# Altium PCB GE21_M1_pku_f100.PcbDoc (part 4 of 19)
Units mm, origin at the board's own origin, x right, y up, seen from the top; angles counter-clockwise.
Board outline 423.9 x 668.59 mm, 8 copper layers (Top Layer, Signal 1, DGNG1, POWER, AGND, DGND2, Signal 2, Bottom Layer), stack 1.03 mm thick; 171 components, 336 nets, 2040 pads, 4872 vias.
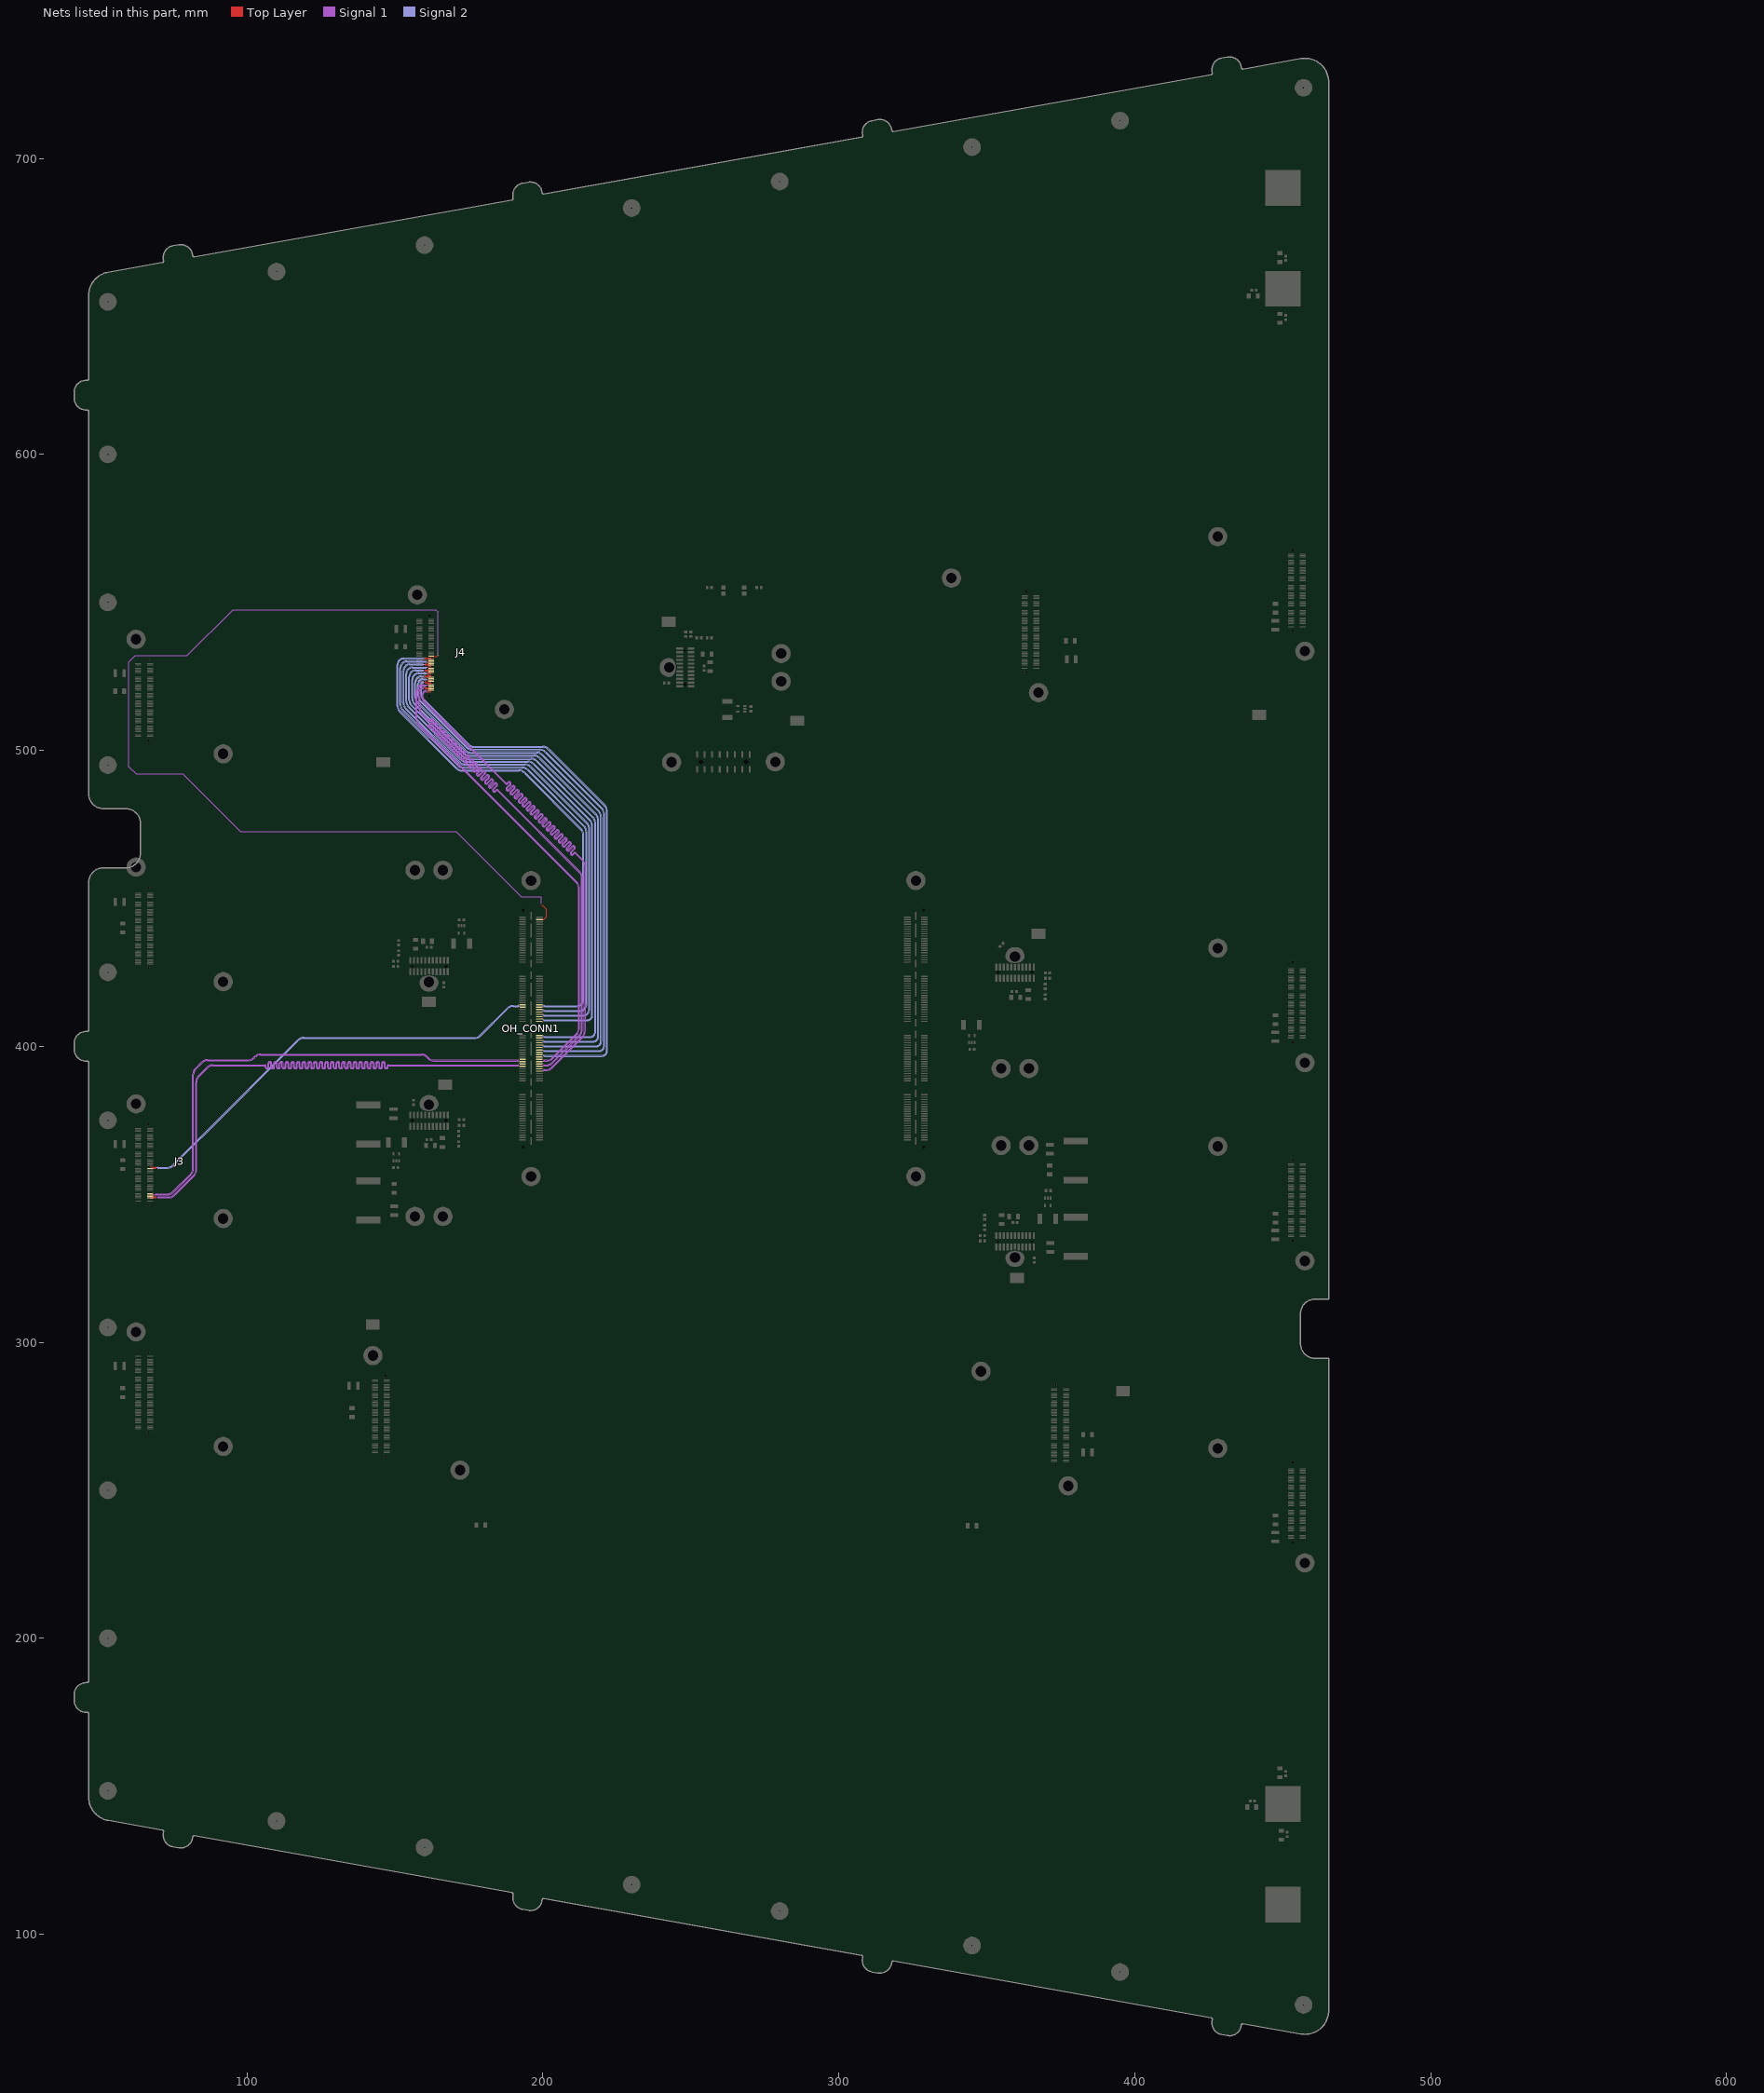
[diagram p10: the nets of this part, all layers, seen from the top]

## Via types
v1: diameter 0.508, hole 0.203, Top Layer to Bottom Layer, tented both sides, 1688 vias
v2: diameter 0.402/0.402/0.402/0.201 (per signal layer), hole 0.201, Top Layer to Bottom Layer, tented both sides, 1040 vias
v3: diameter 0.507, hole 0.202, Top Layer to Bottom Layer, tented both sides, 780 vias
v4: diameter 0.4, hole 0, Top Layer to Bottom Layer, tented both sides, 438 vias
v5: diameter 0.4, hole 0.2, Top Layer to Bottom Layer, tented both sides, 288 vias
v6: diameter 0.51, hole 0.204, Top Layer to Bottom Layer, tented both sides, 288 vias
v7: diameter 0.6/0.4/0.4/0.4 (per signal layer), hole 0.3, Top Layer to Bottom Layer, tented both sides, 254 vias
v8: diameter 0.402, hole 0.201, Top Layer to Bottom Layer, tented both sides, 96 vias

## Nets (pads, with @x,y where several pads share a name; then routed paths per layer and width w, separated by ;. In a path a pad name is that pad's centre, name@x,y a point inside that pad or via, vN(x,y) a via of type N, cw(c..) or ccw(c..) an arc to the next point about the centre after c; other vN are vias at no path point) (continued)
J3RXD_N: J3.96 OH_CONN1.108 | length 234.6
  Top Layer w0.115: J3.96@67.25,348.75 68.3,348.75 68.375,348.825 69.198,348.825 cw(c69.198,348.398) v4@69.5,348.7
  Signal 1 w0.115: v5(69.5,348.7) cw(c69.802,348.398) 69.802,348.825 73.628,348.825 ccw(c73.628,351.715) 75.671,349.671 82.154,356.154 ccw(c80.11,358.197) 83,358.197 83,387.948 cw(c85.54,387.948) 83.744,389.744 86.681,392.681 cw(c88.477,390.885) 88.477,393.425 105.944,393.425 cw(c105.944,393.217) 106.152,393.217 106.152,392.967 ccw(c106.71,392.967) 106.71,392.409 106.902,392.409 ccw(c106.902,392.967) 107.46,392.967 107.46,394.233 cw(c107.668,394.233) 107.668,394.441 107.86,394.441 cw(c107.86,394.233) 108.068,394.233 108.068,392.967 ccw(c108.626,392.967) 108.626,392.409 108.818,392.409 ccw(c108.818,392.967) 109.376,392.967 109.376,394.233 cw(c109.584,394.233) 109.584,394.441 109.776,394.441 cw(c109.776,394.233) 109.984,394.233 109.984,392.967 ccw(c110.542,392.967) 110.542,392.409 110.734,392.409 ccw(c110.734,392.967) 111.292,392.967 111.292,394.233 cw(c111.5,394.233) 111.5,394.441 111.692,394.441 cw(c111.692,394.233) 111.9,394.233 111.9,392.967 ccw(c112.458,392.967) 112.458,392.409 112.65,392.409 ccw(c112.65,392.967) 113.208,392.967 113.208,394.233 cw(c113.416,394.233) 113.416,394.441 113.608,394.441 cw(c113.608,394.233) 113.816,394.233 113.816,392.967 ccw(c114.374,392.967) 114.374,392.409 114.566,392.409 ccw(c114.566,392.967) 115.124,392.967 115.124,394.233 cw(c115.332,394.233) 115.332,394.441 115.524,394.441 cw(c115.524,394.233) 115.732,394.233 115.732,392.967 ccw(c116.29,392.967) 116.29,392.409 116.482,392.409 ccw(c116.482,392.967) 117.04,392.967 117.04,394.233 cw(c117.248,394.233) 117.248,394.441 117.44,394.441 cw(c117.44,394.233) 117.648,394.233 117.648,392.967 ccw(c118.206,392.967) 118.206,392.409 118.398,392.409 ccw(c118.398,392.967) 118.956,392.967 118.956,394.233 cw(c119.164,394.233) 119.164,394.441 119.356,394.441 cw(c119.356,394.233) 119.564,394.233 119.564,392.967 ccw(c120.122,392.967) 120.122,392.409 120.314,392.409 ccw(c120.314,392.967) 120.872,392.967 120.872,394.233 cw(c121.08,394.233) 121.08,394.441 121.272,394.441 cw(c121.272,394.233) 121.48,394.233 121.48,392.967 ccw(c122.038,392.967) 122.038,392.409 122.23,392.409 ccw(c122.23,392.967) 122.788,392.967 122.788,394.233 cw(c122.996,394.233) 122.996,394.441 123.188,394.441 cw(c123.188,394.233) 123.396,394.233 123.396,392.967 ccw(c123.954,392.967) 123.954,392.409 124.146,392.409 ccw(c124.146,392.967) 124.704,392.967 124.704,394.233 cw(c124.912,394.233) 124.912,394.441 125.104,394.441 cw(c125.104,394.233) 125.312,394.233 125.312,392.967 ccw(c125.87,392.967) 125.87,392.409 126.062,392.409 ccw(c126.062,392.967) 126.62,392.967 126.62,394.233 cw(c126.828,394.233) 126.828,394.441 127.02,394.441 cw(c127.02,394.233) 127.228,394.233 127.228,392.967 ccw(c127.786,392.967) 127.786,392.409 127.978,392.409 ccw(c127.978,392.967) 128.536,392.967 128.536,394.233 cw(c128.744,394.233) 128.744,394.441 128.936,394.441 cw(c128.936,394.233) 129.144,394.233 129.144,392.967 ccw(c129.702,392.967) 129.702,392.409 129.894,392.409 ccw(c129.894,392.967) 130.452,392.967 130.452,394.233 cw(c130.66,394.233) 130.66,394.441 130.852,394.441 cw(c130.852,394.233) 131.06,394.233 131.06,392.967 ccw(c131.618,392.967) 131.618,392.409 131.81,392.409 ccw(c131.81,392.967) 132.368,392.967 132.368,394.233 cw(c132.576,394.233) 132.576,394.441 132.768,394.441 cw(c132.768,394.233) 132.976,394.233 132.976,392.967 ccw(c133.534,392.967) 133.534,392.409 133.726,392.409 ccw(c133.726,392.967) 134.284,392.967 134.284,394.233 cw(c134.492,394.233) 134.492,394.441 134.684,394.441 cw(c134.684,394.233) 134.892,394.233 134.892,392.967 ccw(c135.45,392.967) 135.45,392.409 135.642,392.409 ccw(c135.642,392.967) 136.2,392.967 136.2,394.233 cw(c136.408,394.233) 136.408,394.441 136.6,394.441 cw(c136.6,394.233) 136.808,394.233 136.808,392.967 ccw(c137.366,392.967) 137.366,392.409 137.558,392.409 ccw(c137.558,392.967) 138.116,392.967 138.116,394.233 cw(c138.324,394.233) 138.324,394.441 138.516,394.441 cw(c138.516,394.233) 138.724,394.233 138.724,392.967 ccw(c139.282,392.967) 139.282,392.409 139.474,392.409 ccw(c139.474,392.967) 140.032,392.967 140.032,394.233 cw(c140.24,394.233) 140.24,394.441 140.432,394.441 cw(c140.432,394.233) 140.64,394.233 140.64,392.967 ccw(c141.198,392.967) 141.198,392.409 141.39,392.409 ccw(c141.39,392.967) 141.948,392.967 141.948,394.233 cw(c142.156,394.233) 142.156,394.441 142.348,394.441 cw(c142.348,394.233) 142.556,394.233 142.556,392.967 ccw(c143.114,392.967) 143.114,392.409 143.306,392.409 ccw(c143.306,392.967) 143.864,392.967 143.864,394.233 cw(c144.072,394.233) 144.072,394.441 144.264,394.441 cw(c144.264,394.233) 144.472,394.233 144.472,392.967 ccw(c145.03,392.967) 145.03,392.409 145.222,392.409 ccw(c145.222,392.967) 145.78,392.967 145.78,394.233 cw(c145.988,394.233) 145.988,394.441 146.18,394.441 cw(c146.18,394.233) 146.388,394.233 146.388,392.967 ccw(c146.946,392.967) 146.946,392.409 147.138,392.409 ccw(c147.138,392.967) 147.696,392.967 147.696,393.217 cw(c147.904,393.217) 147.904,393.425 191.457,393.425 cw(c191.457,392.657) v6(192,393.2)
  other v4: 69.43,348.7 69.57,348.7
J3RXD_P: J3.94 OH_CONN1.106 | length 234.6
  Top Layer w0.115: J3.94@67.25,349.25 68.3,349.25 68.375,349.175 69.198,349.175 ccw(c69.198,349.602) v5(69.5,349.3)
  Signal 1 w0.115: v5(69.5,349.3) ccw(c69.802,349.602) 69.802,349.175 73.628,349.175 ccw(c73.628,351.715) 75.424,349.919 81.906,356.401 ccw(c80.11,358.197) 82.65,358.197 82.65,387.948 cw(c85.54,387.948) 83.496,389.991 86.434,392.929 cw(c88.477,390.885) 88.477,393.775 105.944,393.775 cw(c105.944,393.217) 106.502,393.217 106.502,392.967 ccw(c106.71,392.967) 106.71,392.759 106.902,392.759 ccw(c106.902,392.967) 107.11,392.967 107.11,394.233 cw(c107.668,394.233) 107.668,394.791 107.86,394.791 cw(c107.86,394.233) 108.418,394.233 108.418,392.967 ccw(c108.626,392.967) 108.626,392.759 108.818,392.759 ccw(c108.818,392.967) 109.026,392.967 109.026,394.233 cw(c109.584,394.233) 109.584,394.791 109.776,394.791 cw(c109.776,394.233) 110.334,394.233 110.334,392.967 ccw(c110.542,392.967) 110.542,392.759 110.734,392.759 ccw(c110.734,392.967) 110.942,392.967 110.942,394.233 cw(c111.5,394.233) 111.5,394.791 111.692,394.791 cw(c111.692,394.233) 112.25,394.233 112.25,392.967 ccw(c112.458,392.967) 112.458,392.759 112.65,392.759 ccw(c112.65,392.967) 112.858,392.967 112.858,394.233 cw(c113.416,394.233) 113.416,394.791 113.608,394.791 cw(c113.608,394.233) 114.166,394.233 114.166,392.967 ccw(c114.374,392.967) 114.374,392.759 114.566,392.759 ccw(c114.566,392.967) 114.774,392.967 114.774,394.233 cw(c115.332,394.233) 115.332,394.791 115.524,394.791 cw(c115.524,394.233) 116.082,394.233 116.082,392.967 ccw(c116.29,392.967) 116.29,392.759 116.482,392.759 ccw(c116.482,392.967) 116.69,392.967 116.69,394.233 cw(c117.248,394.233) 117.248,394.791 117.44,394.791 cw(c117.44,394.233) 117.998,394.233 117.998,392.967 ccw(c118.206,392.967) 118.206,392.759 118.398,392.759 ccw(c118.398,392.967) 118.606,392.967 118.606,394.233 cw(c119.164,394.233) 119.164,394.791 119.356,394.791 cw(c119.356,394.233) 119.914,394.233 119.914,392.967 ccw(c120.122,392.967) 120.122,392.759 120.314,392.759 ccw(c120.314,392.967) 120.522,392.967 120.522,394.233 cw(c121.08,394.233) 121.08,394.791 121.272,394.791 cw(c121.272,394.233) 121.83,394.233 121.83,392.967 ccw(c122.038,392.967) 122.038,392.759 122.23,392.759 ccw(c122.23,392.967) 122.438,392.967 122.438,394.233 cw(c122.996,394.233) 122.996,394.791 123.188,394.791 cw(c123.188,394.233) 123.746,394.233 123.746,392.967 ccw(c123.954,392.967) 123.954,392.759 124.146,392.759 ccw(c124.146,392.967) 124.354,392.967 124.354,394.233 cw(c124.912,394.233) 124.912,394.791 125.104,394.791 cw(c125.104,394.233) 125.662,394.233 125.662,392.967 ccw(c125.87,392.967) 125.87,392.759 126.062,392.759 ccw(c126.062,392.967) 126.27,392.967 126.27,394.233 cw(c126.828,394.233) 126.828,394.791 127.02,394.791 cw(c127.02,394.233) 127.578,394.233 127.578,392.967 ccw(c127.786,392.967) 127.786,392.759 127.978,392.759 ccw(c127.978,392.967) 128.186,392.967 128.186,394.233 cw(c128.744,394.233) 128.744,394.791 128.936,394.791 cw(c128.936,394.233) 129.494,394.233 129.494,392.967 ccw(c129.702,392.967) 129.702,392.759 129.894,392.759 ccw(c129.894,392.967) 130.102,392.967 130.102,394.233 cw(c130.66,394.233) 130.66,394.791 130.852,394.791 cw(c130.852,394.233) 131.41,394.233 131.41,392.967 ccw(c131.618,392.967) 131.618,392.759 131.81,392.759 ccw(c131.81,392.967) 132.018,392.967 132.018,394.233 cw(c132.576,394.233) 132.576,394.791 132.768,394.791 cw(c132.768,394.233) 133.326,394.233 133.326,392.967 ccw(c133.534,392.967) 133.534,392.759 133.726,392.759 ccw(c133.726,392.967) 133.934,392.967 133.934,394.233 cw(c134.492,394.233) 134.492,394.791 134.684,394.791 cw(c134.684,394.233) 135.242,394.233 135.242,392.967 ccw(c135.45,392.967) 135.45,392.759 135.642,392.759 ccw(c135.642,392.967) 135.85,392.967 135.85,394.233 cw(c136.408,394.233) 136.408,394.791 136.6,394.791 cw(c136.6,394.233) 137.158,394.233 137.158,392.967 ccw(c137.366,392.967) 137.366,392.759 137.558,392.759 ccw(c137.558,392.967) 137.766,392.967 137.766,394.233 cw(c138.324,394.233) 138.324,394.791 138.516,394.791 cw(c138.516,394.233) 139.074,394.233 139.074,392.967 ccw(c139.282,392.967) 139.282,392.759 139.474,392.759 ccw(c139.474,392.967) 139.682,392.967 139.682,394.233 cw(c140.24,394.233) 140.24,394.791 140.432,394.791 cw(c140.432,394.233) 140.99,394.233 140.99,392.967 ccw(c141.198,392.967) 141.198,392.759 141.39,392.759 ccw(c141.39,392.967) 141.598,392.967 141.598,394.233 cw(c142.156,394.233) 142.156,394.791 142.348,394.791 cw(c142.348,394.233) 142.906,394.233 142.906,392.967 ccw(c143.114,392.967) 143.114,392.759 143.306,392.759 ccw(c143.306,392.967) 143.514,392.967 143.514,394.233 cw(c144.072,394.233) 144.072,394.791 144.264,394.791 cw(c144.264,394.233) 144.822,394.233 144.822,392.967 ccw(c145.03,392.967) 145.03,392.759 145.222,392.759 ccw(c145.222,392.967) 145.43,392.967 145.43,394.233 cw(c145.988,394.233) 145.988,394.791 146.18,394.791 cw(c146.18,394.233) 146.738,394.233 146.738,392.967 ccw(c146.946,392.967) 146.946,392.759 147.138,392.759 ccw(c147.138,392.967) 147.346,392.967 147.346,393.217 cw(c147.904,393.217) 147.904,393.775 191.457,393.775 ccw(c191.457,394.543) v6(192,394)
  other v4: 69.43,349.3 69.57,349.3
J3Strobe_N: J3.56 OH_CONN1.68 | length 147.1
  Top Layer w0.115: J3.56@67.25,358.75 68.3,358.75 68.375,358.825 69.198,358.825 cw(c69.198,358.398) v4@69.5,358.7
  Signal 2 w0.115: v5(69.5,358.7) cw(c69.802,358.398) 69.802,358.825 73.123,358.825 ccw(c73.123,361.715) 75.166,359.671 84.64,369.145 84.645,369.145 84.747,369.247 117.406,401.906 cw(c119.202,400.11) 119.202,402.65 176.953,402.65 ccw(c176.953,405.54) 178.996,403.496 188.181,412.681 cw(c189.977,410.885) 189.977,413.425 191.457,413.425 cw(c191.457,412.657) v6(192,413.2)
  other v4: 69.43,358.7 69.57,358.7
J3Strobe_P: J3.54 OH_CONN1.66 | length 147.1
  Top Layer w0.115: J3.54@67.25,359.25 68.3,359.25 68.375,359.175 69.198,359.175 ccw(c69.198,359.602) v5(69.5,359.3)
  Signal 2 w0.115: v5(69.5,359.3) ccw(c69.802,359.602) 69.802,359.175 73.123,359.175 ccw(c73.123,361.715) 74.919,359.919 84.495,369.495 84.5,369.495 117.159,402.154 cw(c119.202,400.11) 119.202,403 176.953,403 ccw(c176.953,405.54) 178.749,403.744 187.934,412.929 cw(c189.977,410.885) 189.977,413.775 191.457,413.775 ccw(c191.457,414.543) v6(192,414)
  other v4: 69.43,359.3 69.57,359.3
J3TXD_N: J3.92 OH_CONN1.104 | length 164.2
  Top Layer w0.25: J3.92@67.25,349.75 68.45,349.75 v5(68.5,349.7)
  Signal 1 w0.115: v5(68.5,349.7) cw(c68.802,349.398) 68.802,349.825 73.128,349.825 ccw(c73.128,352.715) 75.171,350.671 81.154,356.654 ; 81.154,356.654 ccw(c79.11,358.697) 82,358.697 82,390.448 cw(c84.54,390.448) 82.744,392.244 84.906,394.406 cw(c86.702,392.61) 86.702,395.15 100.453,395.15 ccw(c100.453,398.04) 102.496,395.996 102.756,396.256 cw(c104.552,394.46) 104.552,397 158.953,397 cw(c158.953,394.46) 160.749,396.256 161.134,395.871 ccw(c163.177,397.915) 163.177,395.025 191.457,395.025 cw(c191.457,394.257) v6(192,394.8)
  other v4: 68.57,349.7
J3TXD_P: J3.90 OH_CONN1.102 | length 164.2
  Top Layer w0.25: J3.90@67.25,350.25 68.45,350.25 v5(68.5,350.3)
  Signal 1 w0.115: v5(68.5,350.3) ccw(c68.802,350.602) 68.802,350.175 73.128,350.175 ccw(c73.128,352.715) 74.924,350.919 80.906,356.901 ccw(c79.11,358.697) 81.65,358.697 81.65,390.448 cw(c84.54,390.448) 82.496,392.491 84.659,394.654 cw(c86.702,392.61) 86.702,395.5 100.453,395.5 ccw(c100.453,398.04) 102.249,396.244 102.509,396.504 ; 102.509,396.504 cw(c104.552,394.46) 104.552,397.35 158.953,397.35 cw(c158.953,394.46) 160.996,396.504 161.381,396.119 ccw(c163.177,397.915) 163.177,395.375 191.457,395.375 ccw(c191.457,396.143) v6(192,395.6)
  other v4: 68.57,350.3
J4CLK_N: J4.100 OH_CONN1.111 | length 234.6
  Top Layer w0.25: v5(161,519.7) 161.05,519.75 J4.100@162.25,519.75
  Signal 1 w0.115: v5(161,519.7) ccw(c160.698,519.398) 160.698,519.825 160.5,519.825 ccw(c160.5,518.825) 159.5,518.825 159.5,518.052 ccw(c162.04,518.052) 160.244,516.256 173,503.5 173,503.495 187.565,488.93 ccw(c187.712,489.077) 187.86,488.93 188.213,489.283 cw(c188.608,488.889) 189.003,489.283 ; 189.003,489.283 189.138,489.148 cw(c188.744,488.753) 189.302,488.753 cw(c188.744,488.753) 189.138,488.359 187.889,487.109 ccw(c188.036,486.962) 187.889,486.815 188.024,486.679 ccw(c188.172,486.827) 188.319,486.679 189.568,487.929 cw(c189.963,487.534) 190.358,487.929 190.493,487.793 ; 189.379,485.325 189.244,485.46 cw(c189.391,485.607) 189.244,485.754 190.493,487.004 ccw(c190.098,487.398) 190.657,487.398 ccw(c190.098,487.398) 190.493,487.793 ; 189.379,485.324 ccw(c189.526,485.472) 189.674,485.324 190.923,486.574 cw(c191.318,486.179) 191.712,486.574 191.848,486.438 cw(c191.453,486.044) 192.011,486.044 cw(c191.453,486.044) 191.848,485.649 190.599,484.4 ccw(c190.746,484.252) 190.599,484.105 190.734,483.97 ccw(c190.881,484.117) 191.028,483.97 192.278,485.219 cw(c192.673,484.824) 193.067,485.219 193.203,485.084 cw(c192.808,484.689) 193.366,484.689 cw(c192.808,484.689) 193.203,484.294 191.953,483.045 ccw(c192.101,482.898) 191.953,482.75 192.089,482.615 ccw(c192.236,482.762) 192.383,482.615 193.633,483.864 cw(c194.027,483.469) 194.422,483.864 194.558,483.729 cw(c194.163,483.334) 194.721,483.334 cw(c194.163,483.334) 194.558,482.939 193.308,481.69 ccw(c193.455,481.543) 193.308,481.396 193.444,481.26 ccw(c193.591,481.407) 193.738,481.26 194.987,482.509 cw(c195.382,482.115) 195.777,482.509 195.912,482.374 cw(c195.518,481.979) 196.076,481.979 cw(c195.518,481.979) 195.912,481.584 194.663,480.335 ccw(c194.81,480.188) 194.663,480.041 194.799,479.905 ccw(c194.946,480.052) 195.093,479.905 196.342,481.155 cw(c196.737,480.76) 197.132,481.155 197.267,481.019 cw(c196.872,480.624) 197.431,480.624 cw(c196.872,480.624) 197.267,480.23 196.018,478.98 ccw(c196.165,478.833) 196.018,478.686 196.153,478.55 ccw(c196.301,478.698) 196.448,478.55 197.697,479.8 cw(c198.092,479.405) 198.486,479.8 198.622,479.664 cw(c198.227,479.27) 198.785,479.27 cw(c198.227,479.27) 198.622,478.875 197.373,477.626 ccw(c197.52,477.478) 197.373,477.331 197.508,477.196 ccw(c197.655,477.343) 197.803,477.196 199.052,478.445 cw(c199.447,478.05) 199.841,478.445 199.977,478.31 cw(c199.582,477.915) 200.14,477.915 cw(c199.582,477.915) 199.977,477.52 198.727,476.271 ccw(c198.875,476.123) 198.727,475.976 198.863,475.841 ccw(c199.01,475.988) 199.157,475.841 200.407,477.09 ; v6(200,391.6) cw(c200.543,391.057) 200.543,391.825 201.123,391.825 ccw(c201.123,394.715) 203.166,392.671 213.504,403.009 ccw(c211.46,405.052) 214.35,405.052 214.35,460.948 ccw(c211.46,460.948) 213.504,462.991 211.139,465.356 ccw(c210.744,464.961) 210.35,465.356 209.996,465.002 cw(c209.849,465.149) 209.701,465.002 209.566,465.138 cw(c209.713,465.285) 209.566,465.432 210.815,466.682 ccw(c210.421,467.076) 210.979,467.076 ccw(c210.421,467.076) 210.815,467.471 210.68,467.606 ccw(c210.285,467.212) 209.89,467.606 208.641,466.357 cw(c208.494,466.504) 208.347,466.357 208.211,466.493 cw(c208.358,466.64) 208.211,466.787 209.46,468.036 ccw(c209.066,468.431) 209.624,468.431 ccw(c209.066,468.431) 209.46,468.826 ; 200.407,477.09 cw(c200.801,476.695) 201.196,477.09 201.331,476.955 cw(c200.937,476.56) 201.495,476.56 cw(c200.937,476.56) 201.332,476.165 200.082,474.916 ccw(c200.229,474.769) 200.082,474.621 200.218,474.486 ccw(c200.365,474.633) 200.512,474.486 201.762,475.735 cw(c202.156,475.341) 202.551,475.735 202.686,475.6 cw(c202.292,475.205) 202.85,475.205 cw(c202.292,475.205) 202.686,474.81 201.437,473.561 ccw(c201.584,473.414) 201.437,473.267 201.573,473.131 ccw(c201.72,473.278) 201.867,473.131 203.116,474.38 cw(c203.511,473.986) 203.906,474.38 204.041,474.245 cw(c203.647,473.85) 204.205,473.85 cw(c203.647,473.85) 204.041,473.456 202.792,472.206 ccw(c202.939,472.059) 202.792,471.912 202.927,471.776 ccw(c203.075,471.924) 203.222,471.776 204.471,473.026 cw(c204.866,472.631) 205.261,473.026 205.396,472.89 cw(c205.001,472.495) 205.56,472.495 cw(c205.001,472.495) 205.396,472.101 204.147,470.851 ccw(c204.294,470.704) 204.147,470.557 204.282,470.422 ccw(c204.429,470.569) 204.577,470.422 205.826,471.671 cw(c206.221,471.276) 206.615,471.671 206.751,471.535 cw(c206.356,471.141) 206.914,471.141 cw(c206.356,471.141) 206.751,470.746 205.502,469.497 ccw(c205.649,469.349) 205.502,469.202 ; 205.502,469.202 205.637,469.067 ccw(c205.784,469.214) 205.931,469.067 207.181,470.316 cw(c207.575,469.921) 207.97,470.316 ; 207.97,470.316 208.106,470.181 cw(c207.711,469.786) 208.269,469.786 cw(c207.711,469.786) 208.106,469.391 206.856,468.142 ccw(c207.004,467.995) 206.856,467.847 206.992,467.712 ccw(c207.139,467.859) 207.286,467.712 208.536,468.961 cw(c208.93,468.567) 209.325,468.961 209.46,468.826
  other v4: 160.93,519.7
J4CLK_P: J4.98 OH_CONN1.109 | length 234.6
  Top Layer w0.25: v5(161,520.3) 161.05,520.25 J4.98@162.25,520.25
  Signal 1 w0.115: v5(161,520.3) cw(c160.698,520.602) 160.698,520.175 160.5,520.175 ccw(c160.5,518.825) 159.15,518.825 159.15,518.052 ccw(c162.04,518.052) 159.996,516.009 172.65,503.355 172.65,503.35 187.318,488.682 ccw(c187.712,489.077) 188.107,488.682 188.461,489.036 cw(c188.608,488.889) 188.755,489.036 188.891,488.9 cw(c188.744,488.753) 188.952,488.753 cw(c188.744,488.753) 188.891,488.606 187.641,487.357 ccw(c188.036,486.962) 187.641,486.567 187.777,486.432 ccw(c188.172,486.827) 188.566,486.432 189.816,487.681 cw(c189.963,487.534) 190.11,487.681 190.245,487.546 cw(c190.098,487.398) 190.307,487.398 cw(c190.098,487.398) 190.246,487.251 188.996,486.002 ccw(c189.391,485.607) 188.996,485.212 189.132,485.077 ; 189.132,485.077 ccw(c189.526,485.472) 189.921,485.077 191.17,486.326 cw(c191.318,486.179) 191.465,486.326 191.6,486.191 cw(c191.453,486.044) 191.661,486.044 cw(c191.453,486.044) 191.6,485.896 190.351,484.647 ccw(c190.746,484.252) 190.351,483.858 190.487,483.722 ccw(c190.881,484.117) 191.276,483.722 192.525,484.972 cw(c192.673,484.824) 192.82,484.972 192.955,484.836 cw(c192.808,484.689) 193.016,484.689 cw(c192.808,484.689) 192.955,484.542 191.706,483.292 ccw(c192.101,482.898) 191.706,482.503 191.841,482.367 ccw(c192.236,482.762) 192.631,482.367 193.88,483.617 cw(c194.027,483.469) 194.175,483.617 194.31,483.481 cw(c194.163,483.334) 194.371,483.334 cw(c194.163,483.334) 194.31,483.187 193.061,481.937 ccw(c193.455,481.543) 193.061,481.148 193.196,481.013 ccw(c193.591,481.407) 193.986,481.013 195.235,482.262 cw(c195.382,482.115) 195.529,482.262 195.665,482.126 cw(c195.518,481.979) 195.726,481.979 cw(c195.518,481.979) 195.665,481.832 194.416,480.583 ccw(c194.81,480.188) 194.416,479.793 194.551,479.658 ccw(c194.946,480.052) 195.34,479.658 196.59,480.907 cw(c196.737,480.76) 196.884,480.907 197.02,480.772 cw(c196.872,480.624) 197.081,480.624 cw(c196.872,480.624) 197.02,480.477 195.77,479.228 ccw(c196.165,478.833) 195.77,478.438 195.906,478.303 ccw(c196.301,478.698) 196.695,478.303 197.945,479.552 cw(c198.092,479.405) 198.239,479.552 198.374,479.417 cw(c198.227,479.27) 198.435,479.27 cw(c198.227,479.27) 198.374,479.122 197.125,477.873 ccw(c197.52,477.478) 197.125,477.084 197.261,476.948 ccw(c197.655,477.343) 198.05,476.948 199.299,478.197 cw(c199.447,478.05) 199.594,478.197 199.729,478.062 cw(c199.582,477.915) 199.79,477.915 cw(c199.582,477.915) 199.729,477.768 198.48,476.518 ccw(c198.875,476.123) 198.48,475.729 198.615,475.593 ccw(c199.01,475.988) 199.405,475.593 200.654,476.843 cw(c200.801,476.695) 200.949,476.843 201.084,476.707 cw(c200.937,476.56) 201.145,476.56 cw(c200.937,476.56) 201.084,476.413 199.835,475.163 ccw(c200.229,474.769) 199.835,474.374 199.97,474.238 ccw(c200.365,474.633) 200.76,474.238 202.009,475.488 cw(c202.156,475.341) 202.303,475.488 202.439,475.352 cw(c202.292,475.205) 202.5,475.205 cw(c202.292,475.205) 202.439,475.058 201.19,473.809 ccw(c201.584,473.414) 201.19,473.019 201.325,472.884 ccw(c201.72,473.278) 202.115,472.884 203.364,474.133 cw(c203.511,473.986) 203.658,474.133 203.794,473.998 cw(c203.647,473.85) 203.855,473.85 cw(c203.647,473.85) 203.794,473.703 202.544,472.454 ccw(c202.939,472.059) 202.544,471.664 202.68,471.529 ccw(c203.075,471.924) 203.469,471.529 204.719,472.778 cw(c204.866,472.631) 205.013,472.778 205.149,472.643 cw(c205.001,472.495) 205.21,472.495 cw(c205.001,472.495) 205.149,472.348 203.899,471.099 ccw(c204.294,470.704) 203.899,470.31 204.035,470.174 ccw(c204.429,470.569) 204.824,470.174 206.073,471.423 cw(c206.221,471.276) 206.368,471.423 206.503,471.288 cw(c206.356,471.141) 206.564,471.141 cw(c206.356,471.141) 206.503,470.993 205.254,469.744 ccw(c205.649,469.349) 205.254,468.955 205.39,468.819 ccw(c205.784,469.214) 206.179,468.819 207.428,470.069 cw(c207.575,469.921) 207.723,470.069 207.858,469.933 cw(c207.711,469.786) 207.919,469.786 cw(c207.711,469.786) 207.858,469.639 206.609,468.389 ccw(c207.004,467.995) 206.609,467.6 206.744,467.464 ccw(c207.139,467.859) 207.534,467.464 208.783,468.714 cw(c208.93,468.567) 209.078,468.714 209.213,468.578 cw(c209.066,468.431) 209.274,468.431 cw(c209.066,468.431) 209.213,468.284 207.964,467.034 ccw(c208.358,466.64) 207.964,466.245 208.099,466.11 ; v6(200,392.4) ccw(c200.543,392.943) 200.543,392.175 201.123,392.175 ccw(c201.123,394.715) 202.919,392.919 213.256,403.256 ccw(c211.46,405.052) 214,405.052 214,460.948 ccw(c211.46,460.948) 213.256,462.744 210.892,465.108 ccw(c210.744,464.961) 210.597,465.108 210.243,464.755 cw(c209.849,465.149) 209.454,464.755 209.318,464.89 cw(c209.713,465.285) 209.318,465.68 210.568,466.929 ccw(c210.421,467.076) 210.629,467.076 ccw(c210.421,467.076) 210.568,467.223 ; 208.099,466.11 ccw(c208.494,466.504) 208.889,466.11 210.138,467.359 cw(c210.285,467.212) 210.432,467.359 210.568,467.224
  other v4: 160.93,520.3
J4D1_N: J4.60 OH_CONN1.71 | length 179.8
  Top Layer w0.25: v5(161,529.7) 161.05,529.75 J4.60@162.25,529.75
  Signal 2 w0.115: v5(161,529.7) ccw(c160.698,529.398) 160.698,529.825 154,529.825 ccw(c154,527.825) 152,527.825 152,515.552 ccw(c154.54,515.552) 152.744,513.756 171.406,495.094 ccw(c173.202,496.89) 173.202,494.35 192.948,494.35 cw(c192.948,491.46) 194.991,493.504 214.004,474.491 cw(c211.96,472.448) 214.85,472.448 214.85,414.175 cw(c212.5,414.175) 212.5,411.825 200.543,411.825 ccw(c200.543,411.057) v6(200,411.6)
  other v4: 160.93,529.7
J4D1_P: J4.58 OH_CONN1.69 | length 179.8
  Top Layer w0.25: v5(161,530.3) 161.05,530.25 J4.58@162.25,530.25
  Signal 2 w0.115: v5(161,530.3) cw(c160.698,530.602) 160.698,530.175 154,530.175 ccw(c154,527.825) 151.65,527.825 151.65,515.552 ccw(c154.54,515.552) 152.496,513.509 171.159,494.846 ccw(c173.202,496.89) 173.202,494 192.948,494 cw(c192.948,491.46) 194.744,493.256 213.756,474.244 cw(c211.96,472.448) 214.5,472.448 214.5,414.175 cw(c212.5,414.175) 212.5,412.175 200.543,412.175 cw(c200.543,412.943) v6(200,412.4)
  other v4: 160.93,530.3
J4D2_N: J4.64 OH_CONN1.75 | length 180.8
  Top Layer w0.115: v5(160,528.7) cw(c160.302,528.398) 160.302,528.825 161.125,528.825 161.2,528.75 J4.64@162.25,528.75
  Signal 2 w0.115: v5(160,528.7) 159.875,528.825 155,528.825 ccw(c155,526.825) 153,526.825 153,516.052 ccw(c155.54,516.052) 153.744,514.256 171.906,496.094 ccw(c173.702,497.89) 173.702,495.35 193.948,495.35 cw(c193.948,492.46) 195.991,494.504 215.004,475.491 cw(c212.96,473.448) 215.85,473.448 215.85,412.575 cw(c213.5,412.575) 213.5,410.225 200.543,410.225 ccw(c200.543,409.457) v6(200,410)
  other v4: 159.93,528.7 160.07,528.7
J4D2_P: J4.62 OH_CONN1.73 | length 180.8
  Top Layer w0.115: v5(160,529.3) ccw(c160.302,529.602) 160.302,529.175 161.125,529.175 161.2,529.25 J4.62@162.25,529.25
  Signal 2 w0.115: v5(160,529.3) 159.875,529.175 155,529.175 ccw(c155,526.825) 152.65,526.825 152.65,516.052 ccw(c155.54,516.052) 153.496,514.009 171.659,495.846 ccw(c173.702,497.89) 173.702,495 193.948,495 cw(c193.948,492.46) 195.744,494.256 214.756,475.244 cw(c212.96,473.448) 215.5,473.448 215.5,412.575 cw(c213.5,412.575) 213.5,410.575 200.543,410.575 cw(c200.543,411.343) v6(200,410.8)
  other v4: 159.93,529.3 160.07,529.3
J4D3_N: J4.68 OH_CONN1.79 | length 181.8
  Top Layer w0.25: v5(161,527.7) 161.05,527.75 J4.68@162.25,527.75
  Signal 2 w0.115: v5(161,527.7) ccw(c160.698,527.398) 160.698,527.825 156,527.825 ccw(c156,525.825) 154,525.825 154,516.552 ccw(c156.54,516.552) 154.744,514.756 172.406,497.094 ccw(c174.202,498.89) 174.202,496.35 194.948,496.35 cw(c194.948,493.46) 196.991,495.504 216.004,476.491 cw(c213.96,474.448) 216.85,474.448 216.85,410.475 cw(c215,410.475) 215,408.625 200.543,408.625 ccw(c200.543,407.857) v6(200,408.4)
  other v4: 160.93,527.7
J4D3_P: J4.66 OH_CONN1.77 | length 181.8
  Top Layer w0.25: v5(161,528.3) 161.05,528.25 J4.66@162.25,528.25
  Signal 2 w0.115: v5(161,528.3) cw(c160.698,528.602) 160.698,528.175 156,528.175 ccw(c156,525.825) 153.65,525.825 153.65,516.552 ccw(c156.54,516.552) 154.496,514.509 172.159,496.846 ccw(c174.202,498.89) 174.202,496 194.948,496 cw(c194.948,493.46) 196.744,495.256 215.756,476.244 cw(c213.96,474.448) 216.5,474.448 216.5,410.475 cw(c215,410.475) 215,408.975 200.543,408.975 cw(c200.543,409.743) v6(200,409.2)
  other v4: 160.93,528.3
J4D4_N: J4.72 OH_CONN1.83 | length 186.8
  Top Layer w0.115: v5(160,526.7) cw(c160.302,526.398) 160.302,526.825 161.125,526.825 161.2,526.75 J4.72@162.25,526.75
  Signal 2 w0.115: v5(160,526.7) 159.875,526.825 157,526.825 ccw(c157,524.825) 155,524.825 155,517.052 ccw(c157.54,517.052) 155.744,515.256 172.906,498.094 ; 172.906,498.094 ccw(c174.702,499.89) 174.702,497.35 195.948,497.35 cw(c195.948,494.46) 197.991,496.504 217.004,477.491 cw(c214.96,475.448) 217.85,475.448 217.85,404.875 cw(c216,404.875) 216,403.025 200.543,403.025 ccw(c200.543,402.257) v6(200,402.8)
  other v4: 159.93,526.7 160.07,526.7
J4D4_P: J4.70 OH_CONN1.81 | length 186.8
  Top Layer w0.115: v5(160,527.3) ccw(c160.302,527.602) 160.302,527.175 161.125,527.175 161.2,527.25 J4.70@162.25,527.25
  Signal 2 w0.115: v5(160,527.3) 159.875,527.175 157,527.175 ccw(c157,524.825) 154.65,524.825 154.65,517.052 ccw(c157.54,517.052) 155.496,515.009 172.659,497.846 ccw(c174.702,499.89) 174.702,497 195.948,497 cw(c195.948,494.46) 197.744,496.256 216.756,477.244 cw(c214.96,475.448) 217.5,475.448 217.5,404.875 cw(c216,404.875) 216,403.375 200.543,403.375 cw(c200.543,404.143) v6(200,403.6)
  other v4: 159.93,527.3 160.07,527.3
J4D5_N: J4.76 OH_CONN1.87 | length 187.6
  Top Layer w0.25: v5(161,525.7) 161.05,525.75 J4.76@162.25,525.75
  Signal 2 w0.115: v5(161,525.7) ccw(c160.698,525.398) 160.698,525.825 158,525.825 ccw(c158,523.825) 156,523.825 156,517.552 ccw(c158.54,517.552) 156.744,515.756 173.406,499.094 ccw(c175.202,500.89) 175.202,498.35 196.948,498.35 cw(c196.948,495.46) 198.991,497.504 218.004,478.491 cw(c215.96,476.448) 218.85,476.448 218.85,403.275 cw(c217,403.275) 217,401.425 200.543,401.425 ccw(c200.543,400.657) v6(200,401.2)
  other v4: 160.93,525.7
J4D5_P: J4.74 OH_CONN1.85 | length 187.6
  Top Layer w0.25: v5(161,526.3) 161.05,526.25 J4.74@162.25,526.25
  Signal 2 w0.115: v5(161,526.3) cw(c160.698,526.602) 160.698,526.175 158,526.175 ccw(c158,523.825) 155.65,523.825 155.65,517.552 ccw(c158.54,517.552) 156.496,515.509 173.159,498.846 ccw(c175.202,500.89) 175.202,498 196.948,498 cw(c196.948,495.46) 198.744,497.256 217.756,478.244 cw(c215.96,476.448) 218.5,476.448 218.5,403.275 cw(c217,403.275) 217,401.775 200.543,401.775 cw(c200.543,402.543) v6(200,402)
  other v4: 160.93,526.3
J4D6_N: J4.80 OH_CONN1.91 | length 190.2
  Top Layer w0.115: v5(160,524.7) cw(c160.302,524.398) 160.302,524.825 161.125,524.825 161.2,524.75 J4.80@162.25,524.75
  Signal 2 w0.115: v5(160,524.7) 159.875,524.825 159,524.825 ccw(c159,522.825) 157,522.825 157,518.052 ccw(c159.54,518.052) 157.744,516.256 173.906,500.094 ccw(c175.702,501.89) 175.702,499.35 197.948,499.35 cw(c197.948,496.46) 199.991,498.504 219.004,479.491 cw(c216.96,477.448) 219.85,477.448 219.85,401.675 cw(c218,401.675) 218,399.825 201.375,399.825 ; v6(200,399.6) cw(c200.543,399.057) 200.543,399.825 203,399.825
  other v4: 159.93,524.7 160.07,524.7
J4D6_P: J4.78 OH_CONN1.89 | length 190.2
  Top Layer w0.115: v5(160,525.3) ccw(c160.302,525.602) 160.302,525.175 161.125,525.175 161.2,525.25 J4.78@162.25,525.25
  Signal 2 w0.115: v5(160,525.3) 159.875,525.175 159,525.175 ccw(c159,522.825) 156.65,522.825 156.65,518.052 ccw(c159.54,518.052) 157.496,516.009 173.659,499.846 ccw(c175.702,501.89) 175.702,499 197.948,499 cw(c197.948,496.46) 199.744,498.256 218.756,479.244 cw(c216.96,477.448) 219.5,477.448 219.5,401.675 cw(c218,401.675) 218,400.175 201.375,400.175 ; v6(200,400.4) ccw(c200.543,400.943) 200.543,400.175 203,400.175
  other v4: 159.93,525.3 160.07,525.3
J4D7_N: J4.84 OH_CONN1.95 | length 191
  Top Layer w0.25: v5(161,523.7) 161.05,523.75 J4.84@162.25,523.75
  Signal 2 w0.115: v5(161,523.7) ccw(c160.698,523.398) 160.698,523.825 159.5,523.825 ccw(c159.5,522.325) 158,522.325 158,518.552 ccw(c160.54,518.552) 158.744,516.756 174.406,501.094 ccw(c176.202,502.89) 176.202,500.35 198.948,500.35 cw(c198.948,497.46) 200.991,499.504 220.004,480.491 cw(c217.96,478.448) 220.85,478.448 220.85,400.075 cw(c219,400.075) 219,398.225 201.375,398.225 ; v6(200,398) cw(c200.543,397.457) 200.543,398.225 202.8,398.225
  other v4: 160.93,523.7
J4D7_P: J4.82 OH_CONN1.93 | length 191
  Top Layer w0.25: v5(161,524.3) 161.05,524.25 J4.82@162.25,524.25
  Signal 2 w0.115: v5(161,524.3) cw(c160.698,524.602) 160.698,524.175 159.5,524.175 ccw(c159.5,522.325) 157.65,522.325 157.65,518.552 ccw(c160.54,518.552) 158.496,516.509 174.159,500.846 ccw(c176.202,502.89) 176.202,500 198.948,500 cw(c198.948,497.46) 200.744,499.256 219.756,480.244 cw(c217.96,478.448) 220.5,478.448 220.5,400.075 cw(c219,400.075) 219,398.575 201.375,398.575 ; v6(200,398.8) ccw(c200.543,399.343) 200.543,398.575 202.8,398.575
  other v4: 160.93,524.3
J4D8_N: J4.88 OH_CONN1.99 | length 192.4
  Top Layer w0.115: v4@160,522.7 cw(c160.302,522.398) 160.302,522.825 161.125,522.825 161.2,522.75 J4.88@162.25,522.75
  Signal 2 w0.115: v5(160,522.7) ccw(c159.875,522.7) 159.875,522.825 159.5,522.825 ccw(c159.5,522.325) 159,522.325 159,519.052 ccw(c161.54,519.052) 159.744,517.256 174.906,502.094 ccw(c176.702,503.89) 176.702,501.35 199.948,501.35 cw(c199.948,498.46) 201.991,500.504 221.004,481.491 cw(c218.96,479.448) 221.85,479.448 221.85,398.475 cw(c220,398.475) 220,396.625 201.375,396.625 ; v6(200,396.4) cw(c200.543,395.857) 200.543,396.625 202.8,396.625
  other v4: 159.93,522.7 160.07,522.7
J4D8_P: J4.86 OH_CONN1.97 | length 192.4
  Top Layer w0.115: v5(160,523.3) ccw(c160.302,523.602) 160.302,523.175 161.125,523.175 161.2,523.25 J4.86@162.25,523.25
  Signal 2 w0.115: v5(160,523.3) cw(c159.875,523.3) 159.875,523.175 159.5,523.175 ccw(c159.5,522.325) 158.65,522.325 158.65,519.052 ccw(c161.54,519.052) 159.496,517.009 174.659,501.846 ; 174.659,501.846 ccw(c176.702,503.89) 176.702,501 199.948,501 cw(c199.948,498.46) 201.744,500.256 220.756,481.244 cw(c218.96,479.448) 221.5,479.448 221.5,398.475 cw(c220,398.475) 220,396.975 201.375,396.975 ; v6(200,397.2) ccw(c200.543,397.743) 200.543,396.975 202.8,396.975
  other v4: 159.93,523.3 160.07,523.3
J4Reset: J4.52 OH_CONN1.3 | length 332.3
  Top Layer w0.2: J4.52@162.25,531.75 164.25,531.75 v1(164.5,532) ; OH_CONN1.3@198.865,442.8 200.3,442.8 201.25,443.75 201.25,446.25 v1(199.5,448)
  Signal 1 w0.2: v1(164.5,532) 164.5,546.75 163.75,547.5 95.25,547.5 79.75,532 62.25,532 60,529.75 60,494.5 62.5,492 78.25,492 97.75,472.5 170.75,472.5 192.75,450.5 199.2,450.5 199.5,450.2 v1(199.5,448)
J4RXD_N: J4.96 OH_CONN1.107 | length 234.6
  Top Layer w0.115: v5(160,520.7) cw(c160.302,520.398) 160.302,520.825 161.125,520.825 161.2,520.75 J4.96@162.25,520.75
  Signal 1 w0.115: v5(160,520.7) ccw(c159.698,520.398) 159.698,520.825 159.5,520.825 ccw(c159.5,519.825) 158.5,519.825 158.5,514.052 ccw(c161.04,514.052) 159.244,512.256 161.318,510.182 ccw(c161.465,510.329) 161.612,510.182 161.965,510.535 cw(c162.36,510.14) 162.754,510.535 162.89,510.4 cw(c162.495,510.005) 163.053,510.005 cw(c162.495,510.005) 162.89,509.61 161.642,508.363 ccw(c161.79,508.215) 161.642,508.068 161.778,507.933 ccw(c161.925,508.08) 162.072,507.933 163.32,509.18 cw(c163.714,508.786) 164.109,509.18 164.245,509.045 ; 164.245,509.045 cw(c163.85,508.65) 164.408,508.65 cw(c163.85,508.65) 164.245,508.255 162.997,507.008 ccw(c163.144,506.861) 162.997,506.713 163.133,506.578 ccw(c163.28,506.725) 163.427,506.578 164.675,507.825 cw(c165.069,507.431) 165.464,507.825 165.599,507.69 cw(c165.205,507.295) 165.763,507.295 cw(c165.205,507.295) 165.599,506.901 164.352,505.653 ccw(c164.499,505.506) 164.352,505.359 164.487,505.223 ccw(c164.635,505.37) 164.782,505.223 166.029,506.471 cw(c166.424,506.076) 166.819,506.471 166.954,506.335 cw(c166.56,505.94) 167.118,505.94 cw(c166.56,505.94) 166.954,505.546 165.707,504.298 ccw(c165.854,504.151) 165.707,504.004 165.842,503.868 ccw(c165.99,504.016) 166.137,503.868 167.384,505.116 cw(c167.779,504.721) 168.174,505.116 168.309,504.98 cw(c167.914,504.586) 168.473,504.586 cw(c167.914,504.586) 168.309,504.191 167.062,502.943 ccw(c167.209,502.796) 167.062,502.649 167.197,502.513 ccw(c167.344,502.661) 167.492,502.513 168.739,503.761 cw(c169.134,503.366) 169.528,503.761 169.664,503.625 cw(c169.269,503.231) 169.827,503.231 cw(c169.269,503.231) 169.664,502.836 168.416,501.589 ccw(c168.564,501.441) 168.416,501.294 168.552,501.159 ccw(c168.699,501.306) 168.846,501.159 170.094,502.406 cw(c170.489,502.011) 170.883,502.406 171.019,502.271 cw(c170.624,501.876) 171.182,501.876 cw(c170.624,501.876) 171.019,501.481 169.771,500.234 ccw(c169.918,500.087) 169.771,499.939 169.907,499.804 ccw(c170.054,499.951) 170.201,499.804 171.449,501.051 cw(c171.843,500.657) 172.238,501.051 ; 172.238,501.051 172.374,500.916 cw(c171.979,500.521) 172.537,500.521 cw(c171.979,500.521) 172.374,500.126 171.126,498.879 ccw(c171.273,498.732) 171.126,498.585 171.262,498.449 ccw(c171.409,498.596) 171.556,498.449 172.803,499.697 cw(c173.198,499.302) 173.593,499.697 173.728,499.561 cw(c173.334,499.166) 173.892,499.166 cw(c173.334,499.166) 173.728,498.772 172.481,497.524 ccw(c172.628,497.377) 172.481,497.23 172.616,497.094 ccw(c172.764,497.241) 172.911,497.094 174.158,498.342 cw(c174.553,497.947) 174.948,498.342 175.083,498.206 cw(c174.688,497.812) 175.247,497.812 cw(c174.688,497.812) 175.083,497.417 173.836,496.169 ccw(c173.983,496.022) 173.836,495.875 173.971,495.739 ccw(c174.118,495.887) 174.266,495.739 175.513,496.987 cw(c175.908,496.592) 176.303,496.987 176.438,496.851 cw(c176.043,496.457) 176.601,496.457 cw(c176.043,496.457) 176.438,496.062 175.191,494.815 ccw(c175.338,494.667) 175.191,494.52 175.326,494.385 ccw(c175.473,494.532) 175.62,494.385 176.868,495.632 cw(c177.263,495.237) 177.657,495.632 177.793,495.497 cw(c177.398,495.102) 177.956,495.102 cw(c177.398,495.102) 177.793,494.707 176.545,493.46 ccw(c176.693,493.312) 176.545,493.165 176.681,493.03 ccw(c176.828,493.177) 176.975,493.03 178.223,494.277 cw(c178.617,493.883) 179.012,494.277 179.148,494.142 cw(c178.753,493.747) 179.311,493.747 cw(c178.753,493.747) 179.148,493.352 177.9,492.105 ccw(c178.047,491.958) 177.9,491.81 178.036,491.675 ccw(c178.183,491.822) 178.33,491.675 179.578,492.922 cw(c179.972,492.528) 180.367,492.922 180.502,492.787 cw(c180.108,492.392) 180.666,492.392 cw(c180.108,492.392) 180.502,491.998 179.255,490.75 ccw(c179.402,490.603) 179.255,490.456 ; 179.255,490.455 179.39,490.32 ccw(c179.538,490.467) 179.685,490.32 180.932,491.568 cw(c181.327,491.173) 181.722,491.568 181.857,491.432 cw(c181.463,491.037) 182.021,491.037 cw(c181.463,491.037) 181.857,490.643 180.61,489.395 ccw(c180.757,489.248) 180.61,489.101 ; 180.61,489.101 180.745,488.965 ccw(c180.892,489.113) 181.04,488.965 182.287,490.213 cw(c182.682,489.818) 183.077,490.213 183.212,490.077 cw(c182.817,489.683) 183.376,489.683 cw(c182.817,489.683) 183.212,489.288 181.965,488.04 ccw(c182.112,487.893) 181.965,487.746 182.1,487.611 ccw(c182.247,487.758) 182.395,487.611 183.642,488.858 cw(c184.037,488.463) 184.431,488.858 184.567,488.723 cw(c184.172,488.328) 184.73,488.328 cw(c184.172,488.328) 184.567,487.933 183.319,486.686 ccw(c183.467,486.538) 183.319,486.391 183.455,486.256 ccw(c183.602,486.403) 183.749,486.256 184.102,486.608 cw(c184.497,486.214) 184.892,486.608 212.504,458.996 cw(c210.46,456.953) 213.35,456.953 213.35,405.552 cw(c210.46,405.552) 212.504,403.509 203.266,394.271 cw(c201.223,396.315) 201.223,393.425 200.543,393.425 ccw(c200.543,392.657) v6(200,393.2)
  other v4: 159.93,520.7 160.07,520.7
J4RXD_P: J4.94 OH_CONN1.105 | length 234.6
  Top Layer w0.115: v5(160,521.3) ccw(c160.302,521.602) 160.06,521.25 ccw(c160.302,521.602) 160.302,521.175 161.125,521.175 161.2,521.25 J4.94@162.25,521.25
  Signal 1 w0.115: v5(160,521.3) cw(c159.698,521.602) 159.698,521.175 159.5,521.175 ccw(c159.5,519.825) 158.15,519.825 158.15,514.052 ccw(c161.04,514.052) 158.996,512.009 161.07,509.935 ccw(c161.465,510.329) 161.86,509.935 162.212,510.288 cw(c162.36,510.14) 162.507,510.288 162.642,510.152 cw(c162.495,510.005) 162.703,510.005 cw(c162.495,510.005) 162.642,509.858 161.395,508.61 ccw(c161.79,508.215) 161.395,507.821 161.53,507.685 ccw(c161.925,508.08) 162.32,507.685 163.567,508.933 cw(c163.714,508.786) 163.862,508.933 163.997,508.797 cw(c163.85,508.65) 164.058,508.65 cw(c163.85,508.65) 163.997,508.503 162.75,507.255 ccw(c163.144,506.861) 162.75,506.466 162.885,506.331 ; 162.885,506.33 ccw(c163.28,506.725) 163.675,506.33 164.922,507.578 cw(c165.069,507.431) 165.217,507.578 165.352,507.442 cw(c165.205,507.295) 165.413,507.295 cw(c165.205,507.295) 165.352,507.148 164.105,505.901 ccw(c164.499,505.506) 164.105,505.111 164.24,504.976 ccw(c164.635,505.37) 165.029,504.976 166.277,506.223 cw(c166.424,506.076) 166.571,506.223 166.707,506.088 cw(c166.56,505.94) 166.768,505.94 cw(c166.56,505.94) 166.707,505.793 165.459,504.546 ccw(c165.854,504.151) 165.459,503.756 165.595,503.621 ccw(c165.99,504.016) 166.384,503.621 167.632,504.868 cw(c167.779,504.721) 167.926,504.868 168.062,504.733 cw(c167.914,504.586) 168.123,504.586 cw(c167.914,504.586) 168.062,504.438 166.814,503.191 ccw(c167.209,502.796) 166.814,502.401 166.95,502.266 ccw(c167.344,502.661) 167.739,502.266 168.987,503.513 cw(c169.134,503.366) 169.281,503.513 169.416,503.378 cw(c169.269,503.231) 169.477,503.231 cw(c169.269,503.231) 169.416,503.084 168.169,501.836 ; 168.169,501.047 168.304,500.911 ccw(c168.699,501.306) 169.094,500.911 170.341,502.159 cw(c170.489,502.011) 170.636,502.159 170.771,502.023 cw(c170.624,501.876) 170.832,501.876 cw(c170.624,501.876) 170.771,501.729 169.524,500.481 ccw(c169.918,500.087) 169.524,499.692 169.659,499.556 ccw(c170.054,499.951) 170.449,499.556 171.696,500.804 cw(c171.843,500.657) 171.991,500.804 172.126,500.668 cw(c171.979,500.521) 172.187,500.521 cw(c171.979,500.521) 172.126,500.374 170.879,499.126 ccw(c171.273,498.732) 170.879,498.337 171.014,498.202 ccw(c171.409,498.596) 171.803,498.202 173.051,499.449 cw(c173.198,499.302) 173.345,499.449 173.481,499.314 cw(c173.334,499.166) 173.542,499.166 cw(c173.334,499.166) 173.481,499.019 172.233,497.772 ccw(c172.628,497.377) 172.233,496.982 172.369,496.847 ; 168.169,501.047 cw(c168.564,501.441) 168.169,501.836 ; 172.369,496.847 ccw(c172.764,497.241) 173.158,496.847 174.406,498.094 cw(c174.553,497.947) 174.7,498.094 174.836,497.959 ; 174.836,497.959 cw(c174.688,497.812) 174.897,497.812 cw(c174.688,497.812) 174.836,497.664 173.588,496.417 ccw(c173.983,496.022) 173.588,495.627 173.724,495.492 ccw(c174.118,495.887) 174.513,495.492 175.761,496.739 cw(c175.908,496.592) 176.055,496.739 176.191,496.604 cw(c176.043,496.457) 176.251,496.457 cw(c176.043,496.457) 176.191,496.309 174.943,495.062 ccw(c175.338,494.667) 174.943,494.273 175.079,494.137 ccw(c175.473,494.532) 175.868,494.137 177.115,495.385 cw(c177.263,495.237) 177.41,495.385 177.545,495.249 cw(c177.398,495.102) 177.606,495.102 cw(c177.398,495.102) 177.545,494.955 176.298,493.707 ccw(c176.693,493.312) 176.298,492.918 176.433,492.782 ccw(c176.828,493.177) 177.223,492.782 178.47,494.03 cw(c178.617,493.883) 178.765,494.03 178.9,493.894 cw(c178.753,493.747) 178.961,493.747 cw(c178.753,493.747) 178.9,493.6 177.653,492.352 ccw(c178.047,491.958) 177.653,491.563 177.788,491.427 ccw(c178.183,491.822) 178.578,491.427 179.825,492.675 cw(c179.972,492.528) 180.119,492.675 180.255,492.539 cw(c180.108,492.392) 180.316,492.392 cw(c180.108,492.392) 180.255,492.245 179.007,490.998 ccw(c179.402,490.603) 179.007,490.208 179.143,490.073 ccw(c179.538,490.467) 179.932,490.073 181.18,491.32 cw(c181.327,491.173) 181.474,491.32 181.61,491.185 cw(c181.463,491.037) 181.671,491.037 cw(c181.463,491.037) 181.61,490.89 180.362,489.643 ccw(c180.757,489.248) 180.362,488.853 180.498,488.718 ccw(c180.892,489.113) 181.287,488.718 182.535,489.965 cw(c182.682,489.818) 182.829,489.965 182.964,489.83 ; 181.853,487.363 ccw(c182.247,487.758) 182.642,487.363 183.889,488.611 cw(c184.037,488.463) 184.184,488.611 184.319,488.475 cw(c184.172,488.328) 184.38,488.328 cw(c184.172,488.328) 184.319,488.181 183.072,486.933 ccw(c183.467,486.538) 183.072,486.144 183.207,486.008 ccw(c183.602,486.403) 183.997,486.008 184.35,486.361 cw(c184.497,486.214) 184.644,486.361 212.256,458.749 cw(c210.46,456.953) 213,456.953 213,405.552 cw(c210.46,405.552) 212.256,403.756 203.019,394.519 cw(c201.223,396.315) 201.223,393.775 200.543,393.775 cw(c200.543,394.543) v6(200,394) ; 181.852,487.363 181.717,487.499 cw(c182.112,487.893) 181.717,488.288 182.965,489.535 ccw(c182.817,489.683) 183.026,489.683 ccw(c182.817,489.683) 182.965,489.83
  other v4: 159.93,521.3 160.07,521.3
J4Strobe_N: J4.56 OH_CONN1.67 | length 179.8
  Top Layer w0.115: v5(160,530.7) cw(c160.302,530.398) 160.302,530.825 161.125,530.825 161.2,530.75 J4.56@162.25,530.75
  Signal 2 w0.115: v5(160,530.7) 159.875,530.825 153,530.825 ccw(c153,528.825) 151,528.825 151,515.052 ccw(c153.54,515.052) 151.744,513.256 170.906,494.094 ccw(c172.702,495.89) 172.702,493.35 191.948,493.35 cw(c191.948,490.46) 193.991,492.504 213.004,473.491 cw(c210.96,471.448) 213.85,471.448 213.85,415.775 cw(c211.5,415.775) 211.5,413.425 201.375,413.425 ; v6(200,413.2) cw(c200.543,412.657) 200.543,413.425 202.2,413.425
  other v4: 159.93,530.7 160.07,530.7
J4Strobe_P: J4.54 OH_CONN1.65 | length 179.8
  Top Layer w0.115: v5(160,531.3) ccw(c160.302,531.602) 160.302,531.175 161.125,531.175 161.2,531.25 J4.54@162.25,531.25
  Signal 2 w0.115: v5(160,531.3) 159.875,531.175 153,531.175 ccw(c153,528.825) 150.65,528.825 150.65,515.052 ccw(c153.54,515.052) 151.496,513.009 170.659,493.846 ccw(c172.702,495.89) 172.702,493 191.948,493 cw(c191.948,490.46) 193.744,492.256 212.756,473.244 cw(c210.96,471.448) 213.5,471.448 213.5,415.775 cw(c211.5,415.775) 211.5,413.775 201.375,413.775 ; v6(200,414) ccw(c200.543,414.543) 200.543,413.775 202.2,413.775
  other v4: 159.93,531.3 160.07,531.3
J4TXD_N: J4.92 OH_CONN1.103 | length 159.6
  Top Layer w0.25: v5(161,521.7) 161.05,521.75 J4.92@162.25,521.75
  Signal 1 w0.115: v5(161,521.7) ccw(c160.698,521.398) 160.698,521.825 159.5,521.825 ccw(c159.5,519.825) 157.5,519.825 157.5,510.552 ccw(c160.04,510.552) 158.244,508.756 211.504,455.496 cw(c209.46,453.453) 212.35,453.453 212.35,406.052 cw(c209.46,406.052) 211.504,404.009 203.366,395.871 cw(c201.323,397.915) 201.323,395.025 200.543,395.025 ccw(c200.543,394.257) v6(200,394.8)
  other v4: 160.93,521.7
J4TXD_P: J4.90 OH_CONN1.101 | length 159.6
  Top Layer w0.25: v5(161,522.3) 161.05,522.25 J4.90@162.25,522.25
  Signal 1 w0.115: v5(161,522.3) cw(c160.698,522.602) 160.698,522.175 159.5,522.175 ccw(c159.5,519.825) 157.15,519.825 157.15,510.552 ccw(c160.04,510.552) 157.996,508.509 211.256,455.249 cw(c209.46,453.453) 212,453.453 212,406.052 cw(c209.46,406.052) 211.256,404.256 203.119,396.119 cw(c201.323,397.915) 201.323,395.375 200.543,395.375 cw(c200.543,396.143) v6(200,395.6)
  other v4: 160.93,522.3